# Altium PCB GPRS-ADM2483-V1.0_______中科院TF卡.PcbDoc (part 3 of 3)
Units mm, origin at the board's own origin, x right, y up, seen from the top; angles counter-clockwise.
Board outline 138.3 x 139.73 mm, 2 copper layers (Top Layer, Bottom Layer); 324 components, 205 nets, 988 pads, 414 vias.
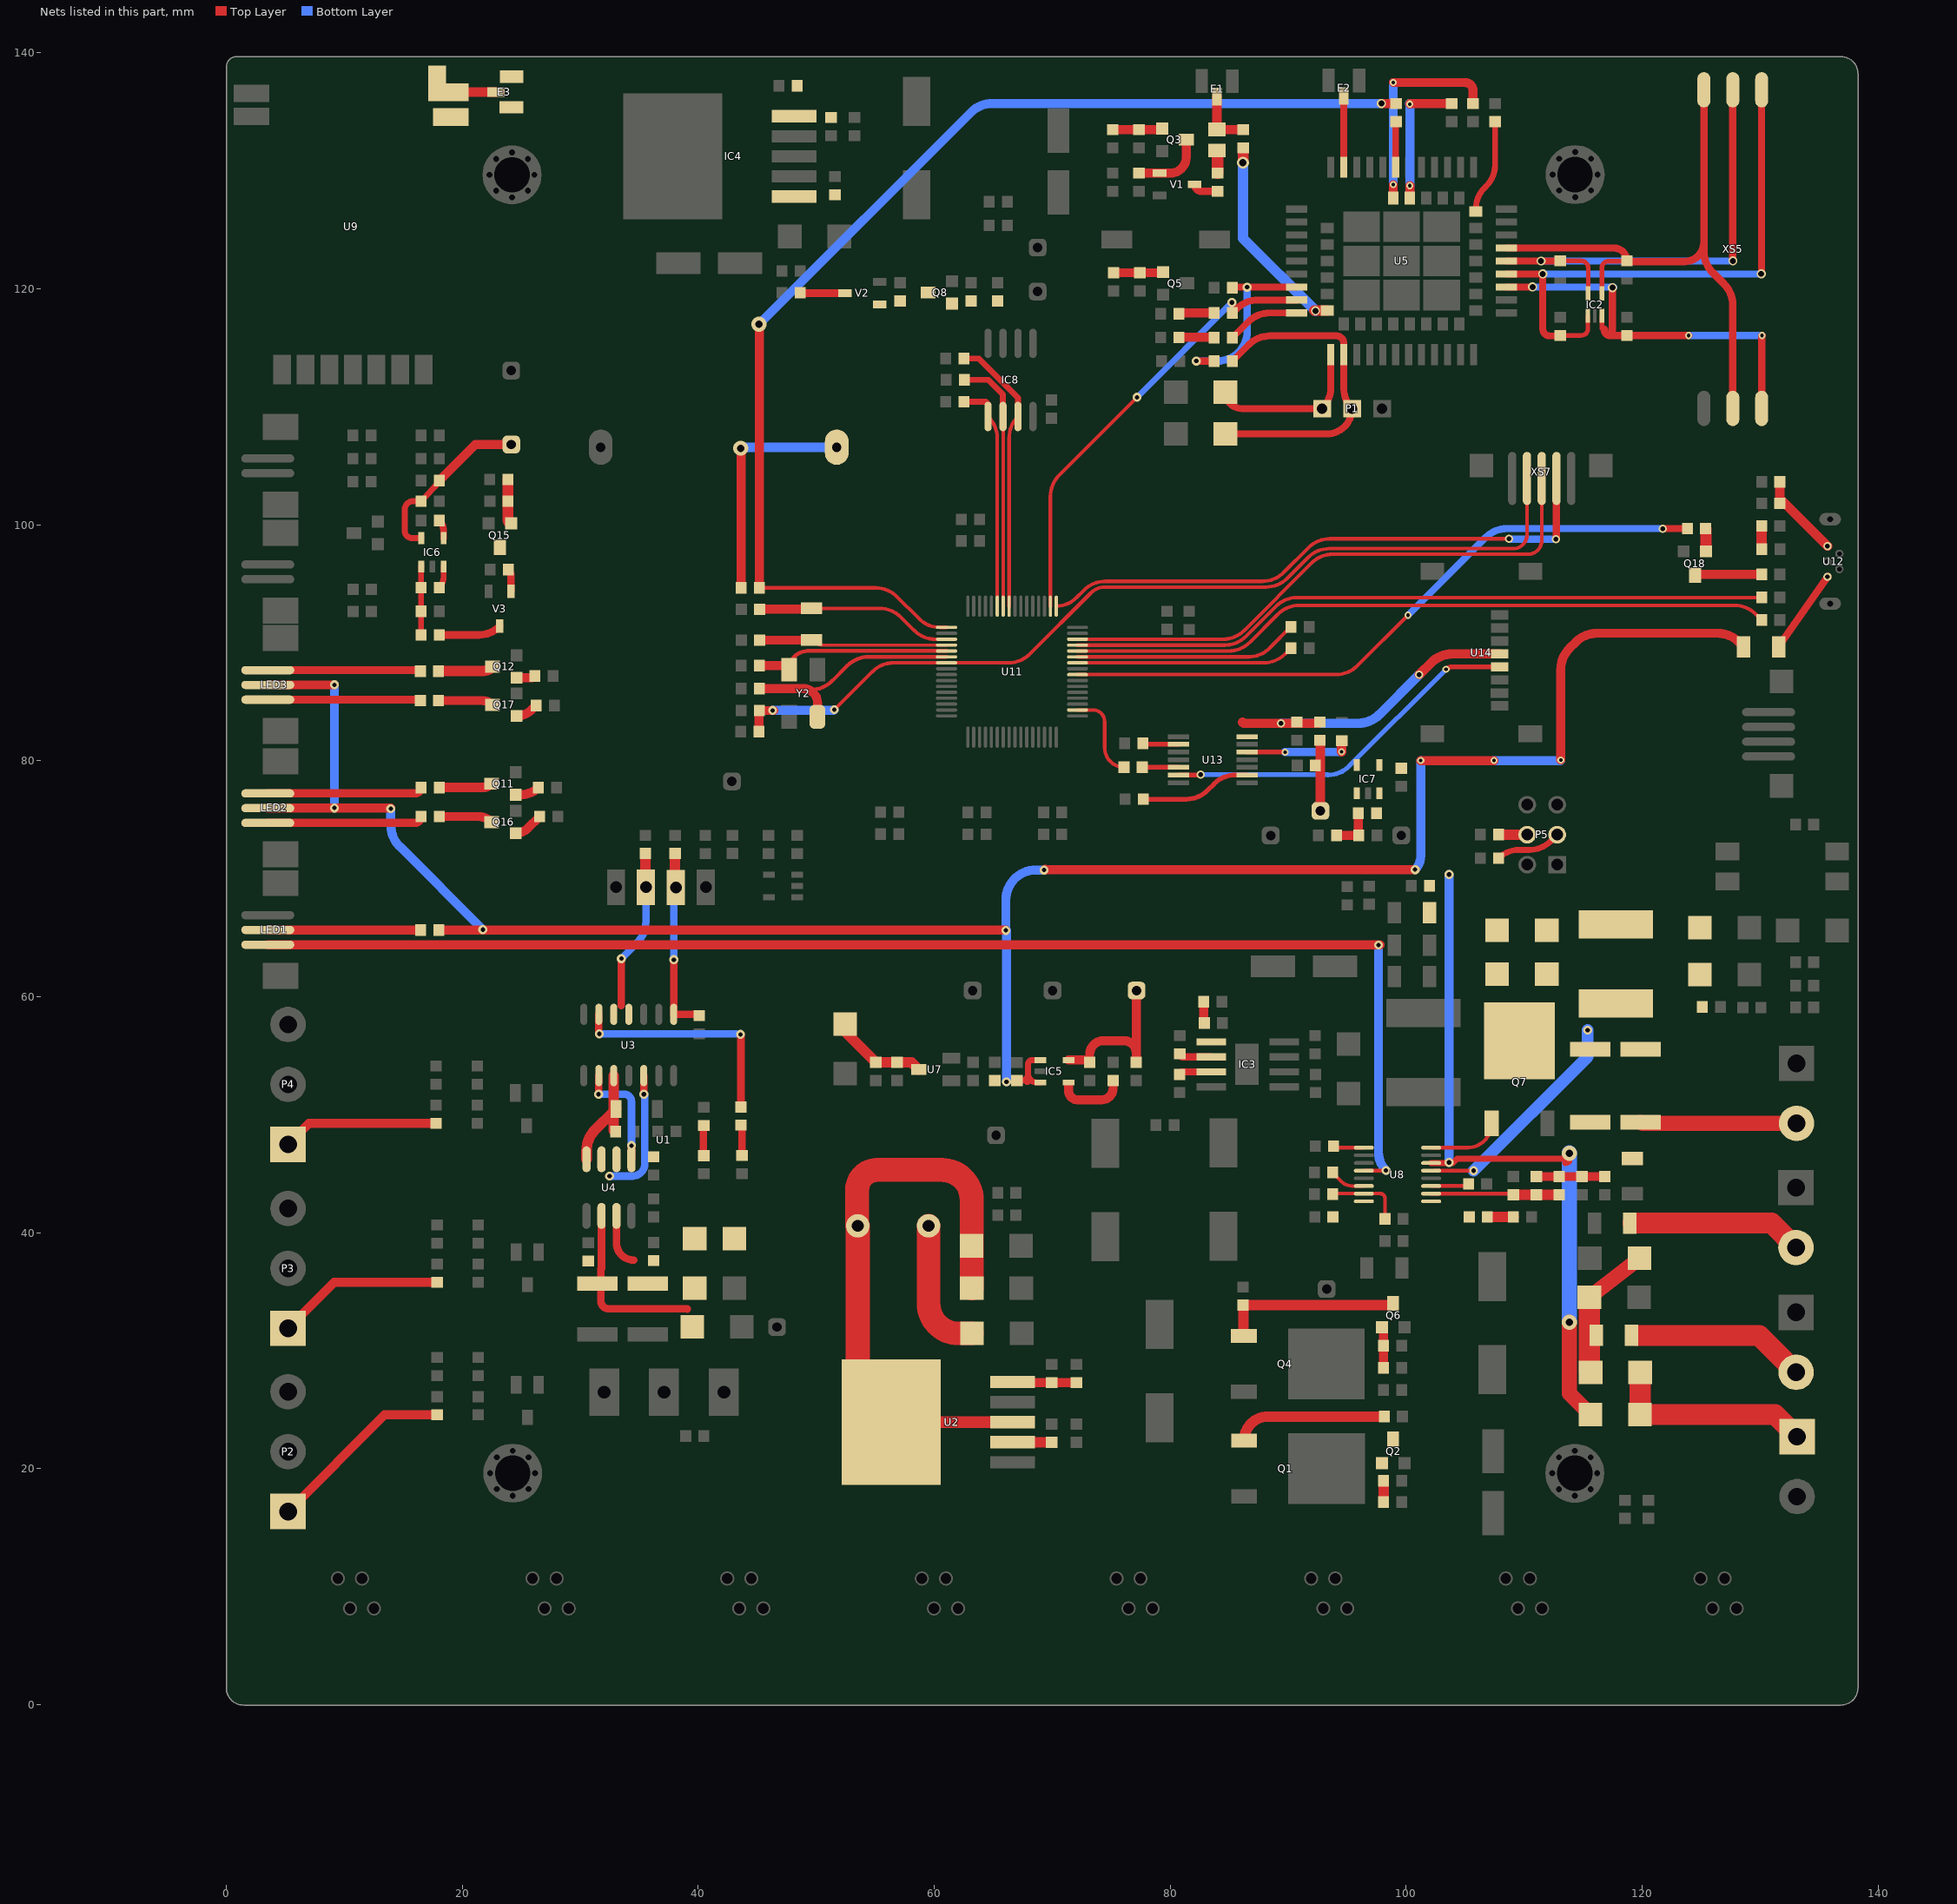
[diagram p3: the nets of this part, all layers, seen from the top]

## Via types
v1: diameter 0.762, hole 0.381, Top Layer to Bottom Layer, 221 vias
v2: diameter 1.016, hole 0.635, Top Layer to Bottom Layer, 61 vias
v3: diameter 0.6, hole 0.3, Top Layer to Bottom Layer, 41 vias
v4: diameter 0.762, hole 0.508, Top Layer to Bottom Layer, 21 vias
v5: diameter 3, hole 2.3, Top Layer to Bottom Layer, 16 vias
v6: diameter 0.7, hole 0.4, Top Layer to Bottom Layer, 15 vias
v7: diameter 1.27, hole 0.635, Top Layer to Bottom Layer, 7 vias
v8: diameter 1.27, hole 0.508, Top Layer to Bottom Layer, 5 vias
v9: diameter 1.016, hole 0.457, Top Layer to Bottom Layer, 5 vias
v10: diameter 1.016, hole 0.508, Top Layer to Bottom Layer, 4 vias
v11: diameter 0.8, hole 0.5, Top Layer to Bottom Layer, 4 vias
v12: diameter 1.27, hole 0.762, Top Layer to Bottom Layer, 2 vias
v13: diameter 0.762, hole 0.457, Top Layer to Bottom Layer, 2 vias
v14: diameter 0.9, hole 0.6, Top Layer to Bottom Layer, 2 vias
v15: diameter 1, hole 0.7, Top Layer to Bottom Layer, 2 vias
v16: diameter 1.021, hole 0.7, Top Layer to Bottom Layer, 2 vias
v17: diameter 1.016, hole 0.381, Top Layer to Bottom Layer, 1 vias
v18: diameter 1.016, hole 0.6, Top Layer to Bottom Layer, 1 vias
v19: diameter 1.012, hole 0.6, Top Layer to Bottom Layer, 1 vias
v20: diameter 0.4, hole 0.3, Top Layer to Bottom Layer, 1 vias

## Nets (pads, with @x,y where several pads share a name; then routed paths per layer and width w, separated by ;. In a path a pad name is that pad's centre, name@x,y a point inside that pad or via, vN(x,y) a via of type N, cw(c..) or ccw(c..) an arc to the next point about the centre after c; other vN are vias at no path point) (continued)
NetC32_2: C32.2 D23.2 R50.2 U7.3 | length 9.4
  Top Layer w0.889: D23.2@52.45,57.68 52.45,57.037 R50.2@55.06,54.427 58.077,54.427 ; C32.2@56.849,54.427 58.077,54.427 ; U7.3@58.69,53.815 58.077,54.427
NetC35_1: C35.1 U8.1 | length 2.6
  Top Layer w0.305: C35.1@93.848,47.065 93.982,47.199 U8.1@96.423,47.199
NetC38_1: C38.1 U8.11 | length 3.2
  Top Layer w0.33: U8.11@102.123,43.949 C38.1@105.313,43.949
NetC41_1: C41.1 R61.1 R63.2 U8.10 | length 11.9
  Top Layer w0.305: U8.10@102.123,43.299 109.993,43.299 cw(c109.993,43.205) 110.086,43.205
  Top Layer w0.889: R63.2@109.1,43.205 C41.1@112.972,43.205
NetC43_2: C43.2 U8.8
NetC45_2: C45.2 IC5.5 MCU_3V3.1 R64.1 | length 13.9
  Top Layer w0.762: IC5.5@71.395,54.622 72.987,54.622 cw(c72.987,54.427) C45.2@73.182,54.427 73.182,55.094 cw(c74.348,55.094) 74.348,56.261 76.087,56.261 cw(c76.087,55.222) 77.126,55.222 ; R64.1@77.126,54.427 77.126,55.222 ; MCU_3V3.1@77.152,60.512 ccw(c77.152,60.486) 77.126,60.486 77.126,55.222
NetC46_2: C46.2 IC5.4 | length 5.9
  Top Layer w0.762: IC5.4@71.395,52.537 71.395,52.014 ccw(c72.157,52.014) 72.157,51.252 74.17,51.252 ccw(c74.17,52.255) 75.173,52.255 C46.2@75.173,52.887
NetC47_2: C47.2 R66.1 | length 2.2
  Top Layer w0.889: R66.1@106.891,41.321 C47.2@109.1,41.321
NetC49_1: C49.1 IC6.1 R75.2 R82.1 | length 5.8
  Top Layer w0.5: R75.2@16.51,90.653 16.51,96.442 cw(c16.544,96.442) IC6.1@16.52,96.466
NetC51_2: C51.2 IC6.5 LoRa-3.3V.1 R76.1 | length 15.1
  Top Layer w0.508: C51.2@16.456,102.039 cw(c16.456,101.99) C51.2@16.504,101.99 15.837,101.99 ccw(c15.837,101.276) 15.122,101.276 15.122,99.494 ccw(c15.751,99.494) 15.751,98.866 IC6.5@16.52,98.866 ; C51.2@16.51,101.949 16.528,101.969 R76.1@18.05,103.647
  Top Layer w0.762: R76.1@18.044,103.741 21.1,106.797 LoRa-3.3V.1@24.158,106.797 ; R76.1@18.05,103.647 R76.1@18.084,103.664
NetC52_2: C52.2 IC6.4 | length 1.6
  Top Layer w0.584: C52.2@18.05,100.364 cw(c17.157,99.471) 18.42,99.471 IC6.4@18.42,98.866
NetC60_1: C60.1 IC7.1 R100.2 R101.1 | length 3.7
  Top Layer w0.762: C60.1@94.115,73.66 R100.2@95.979,73.66 cw(c96.04,73.721) 95.953,73.721 R101.1@95.953,75.54
NetC61_2: C61.2 IC7.5 R99.1 TF-3V3.1 | length 6
  Top Layer w0.8: R99.1@92.687,81.723 cw(c92.687,81.675) 92.735,81.675 TF-3V3.1@92.735,75.743
NetC63_2: C63.2 IC7.4
NetC64_1: C64.1 U11.4 Y1.1 | length 16
  Top Layer w0.279: Y1.1@49.582,90.209 ccw(c50.583,91.209) 50.583,89.794 U11.4@61.049,89.794
  Top Layer w0.762: C64.1@45.202,90.209 Y1.1@49.582,90.209
NetC65_1: C65.1 U11.3 Y1.2 | length 16.7
  Top Layer w0.305: Y1.2@49.591,92.909 55.378,92.909 cw(c55.378,90.369) 57.174,92.165 58.301,91.038 ccw(c60.097,92.834) 60.097,90.294 U11.3@61.049,90.294
  Top Layer w0.762: C65.1@45.202,92.833 49.406,92.833 ccw(c49.406,93.094) Y1.2@49.591,92.909
NetC68_1: C68.1 U11.6 Y2.1 | length 19
  Top Layer w0.33: 49.374,86.014 49.549,86.014 ccw(c49.549,88.554) 51.345,86.758 52.637,88.05 cw(c54.433,86.254) 54.433,88.794 U11.6@61.049,88.794
  Top Layer w0.762: C68.1@45.176,86.119 48.875,86.119 cw(c48.875,84.879) 49.374,86.014 cw(c48.875,84.879) 50.115,84.879 50.115,84.191 ccw(c50.144,84.191) Y2.1@50.144,84.162
NetC69_1: C69.1 U11.5 Y2.3 | length 17
  Top Layer w0.33: Y2.3@47.701,87.717 cw(c49.279,87.717) 49.279,89.294 U11.5@61.049,89.294
  Top Layer w0.762: C69.1@45.176,88.058 47.359,88.058 cw(c47.359,87.717) Y2.3@47.701,87.717
NetC72_2: C72.2 R114.2 U12.5 | length 7.1
  Top Layer w0.8: C72.2@131.676,103.639 131.676,102.23 U12.5@135.72,98.186
NetD1_1: D1.1 D3.1 L1.2 U2.0 U2.3 | length 50.8
  Top Layer w1: U2.0@56.351,23.93 U2.3@66.651,23.93
  Top Layer w2.032: U2.0@56.351,23.93 53.524,26.758 L1.2@53.524,40.574 cw(c53.524,40.625) 53.473,40.625 53.473,43.615 cw(c55.17,43.615) 55.17,45.312 60.644,45.312 cw(c60.644,42.772) 63.184,42.772 D3.1@63.184,35.283
NetD2_2: D2.2 L1.1 | length 11.7
  Top Layer w2: L1.1@59.524,40.574 59.524,33.989 ccw(c62.064,33.989) 62.064,31.449 D2.2@63.214,31.449
NetD4_2: D4.2 D6.1 D8.1 F2.2 | length 11.8
  Top Layer w1.27: D4.2@115.535,34.511 D8.1@119.775,37.819
  Top Layer w1.778: D4.2@115.535,34.511 115.535,28.265 D6.1@115.642,28.158
NetD5_1: D5.1 D9.1 F3.1 R10.2 U4.7 | length 4.6
  Top Layer w0.635: U4.7@33.072,41.413 33.072,39.134 ccw(c34.54,39.134) 34.54,37.666
NetD6_2: D6.2 D7.2 XS2.1 | length 17.7
  Top Layer w1.778: D6.2@119.842,28.158 119.842,24.614 D7.2@119.813,24.584 131.26,24.584 XS2.1@133.14,22.704
NetD9_2: D9.2 D13.2 F4.1 R21.2 U4.6 | length 15
  Top Layer w0.635: U4.6@31.802,41.413 31.802,36.973 cw(c31.75,36.973) 31.75,36.921 31.75,34.206 ccw(c32.421,34.206) 32.421,33.536 39.053,33.536 cw(c39.053,33.513) 39.076,33.513
NetD10_2: D10.2 R18.1 U3.10 U4.4 | length 10
  Top Layer w0.889: U4.4@30.532,46.213 30.532,46.93 cw(c33.072,46.93) 31.254,48.704 cw(c33.072,46.93) 31.276,48.726 D10.2@32.847,50.296 ; U3.10@32.847,53.302 D10.2@32.847,50.296 ; R18.1@33,48.559 cw(c33,48.712) 32.847,48.712 D10.2@32.847,50.296 ; D10.2@33.037,50.487 D10.2@32.847,50.296
NetD11_A: D11.A R13.1 | length 2.6
  Top Layer w0.635: D11.A@40.449,46.521 40.449,49.046 cw(c40.482,49.046) R13.1@40.482,49.079
NetD12_A: D12.A R17.1 | length 2.6
  Top Layer w0.635: D12.A@43.702,46.542 R17.1@43.702,49.1
NetD16_A: D16.A R26.2 | length 3
  Top Layer w0.762: D16.A@80.75,117.878 cw(c80.812,117.878) 80.812,117.94 R26.2@83.737,117.94
NetD17_A: D17.A R28.2 | length 3
  Top Layer w0.762: D17.A@80.75,115.876 83.709,115.876 cw(c83.709,115.848) R28.2@83.737,115.848
NetD20_2: D20.2 D21.2 D22.2 D24.2 L4.1 R47.1
NetD22_1: D22.1 D24.1 Q7.2
NetD26_K: D26.K R117.1 | length 2
  Top Layer w0.889: R117.1@130.136,99.895 D26.K@130.14,97.913
NetE1_2: E1.2 L2.2 R15.2 | length 5
  Top Layer w0.8: E1.2@83.979,136.272 83.977,136.272 L2.2@83.977,133.503 83.977,133.48 R15.2@86.195,133.48
NetE2_2: E2.2 U5.32 | length 5.7
  Top Layer w0.6: E2.2@94.646,135.961 cw(c94.646,135.891) 94.717,135.891 U5.32@94.717,130.301
NetE3_1: E3.1 E3.3 U9.8
NetE3_2: E3.2 U9.9 | length 3.8
  Top Layer w0.8: U9.9@19.029,136.66 cw(c19.064,136.625) 19.064,136.675 E3.2@22.861,136.675
NetF1_1: F1.1 XS1.2 | length 14.7
  Top Layer w1.778: F1.1@119.235,40.801 130.977,40.801 XS1.2@133.044,38.734
NetF2_1: F2.1 XS3.2 | length 14.8
  Top Layer w1.778: F2.1@119.595,31.286 129.93,31.286 XS3.2@133.063,28.154
NetF5_1: F5.1 U12.1 | length 7.2
  Top Layer w0.635: F5.1@131.576,89.656 U12.1@135.72,95.586
NetIC3_5: IC3.5 R35.1 R40.2 | length 1.8
  Top Layer w0.762: R40.2@82.849,59.558 82.849,57.804 ccw(c82.899,57.804) R35.1@82.899,57.754
NetIC3_6: IC3.6 R36.1 | length 2.8
  Top Layer w0.6: R36.1@80.812,55.151 ccw(c81.068,55.151) 81.068,54.895 IC3.6@83.477,54.895
NetIC3_7: IC3.7 R41.2 | length 2.8
  Top Layer w0.584: R41.2@80.807,53.404 cw(c81.028,53.404) 81.028,53.625 IC3.7@83.477,53.625
NetIC4_1: IC4.1 R54.1
NetIC4_5: IC4.5 R55.1 R58.2
NetIC6_3: IC6.3 R82.2 | length 1.9
  Top Layer w0.508: R82.2@18.05,94.665 ccw(c17.157,95.558) 18.42,95.558 IC6.3@18.42,96.466
NetIC7_3: IC7.3 R101.2
NetL2_1: L2.1 R8.1 | length 2
  Top Layer w0.965: L2.1@83.977,131.723 cw(c83.977,131.676) 84.025,131.676 R8.1@84.025,129.795
NetL4_2: L4.2 RCS1.2 RCS2.2 U8.13 | length 19.2
  Top Layer w0.305: U8.13@102.43,45.248 v1(105.726,45.248)
  Bottom Layer w1.016: v1(105.726,45.248) 105.762,45.285 115.39,54.913 v1(115.39,57.152)
NetLED1_2: LED1.2 R48.1 | length 13
  Top Layer w0.762: LED1.2@3.516,65.65 16.391,65.65 cw(c16.391,65.566) R48.1@16.475,65.566
NetLED2_1: LED2.1 R71.2 | length 13.4
  Top Layer w0.7: LED2.1@3.516,77.223 16.001,77.223 ccw(c16.001,77.726) R71.2@16.504,77.726 ccw(c16.397,77.726) R71.2@16.397,77.833
NetLED2_3: LED2.3 R85.2 | length 13.4
  Top Layer w0.7: LED2.3@3.516,74.723 15.965,74.723 ccw(c15.965,75.263) R85.2@16.504,75.263 ccw(c16.433,75.263) R85.2@16.433,75.333
NetLED3_1: LED3.1 R72.2 | length 13
  Top Layer w0.635: LED3.1@3.516,87.669 16.369,87.669 R72.2@16.451,87.587
NetLED3_3: LED3.3 R86.2 | length 13
  Top Layer w0.635: LED3.3@3.516,85.169 16.38,85.169 R86.2@16.451,85.099
NETLIGHT: R26.1 U5.41 U11.50 | length 37.8
  Top Layer w0.305: U11.50@69.849,93.094 69.849,102.399 cw(c72.389,102.399) 70.593,104.195 v1(77.195,110.797)
  Top Layer w0.584: R26.1@85.277,117.94 85.645,118.307 cw(c87.441,116.511) 87.441,119.051 U5.41@90.717,119.051
  Bottom Layer w0.508: v1@77.195,110.795 v1(77.195,110.797) v1(85.23,118.833)
NetP5_3: P5.3 R115.2 | length 5.6
  Top Layer w0.508: R115.2@107.846,71.73 cw(c109.557,70.019) 109.557,72.439 110.465,72.439 ccw(c110.465,74.979) 112.261,73.183 P5.3@112.802,73.724
NetP5_4: P5.4 R116.1 | length 2.4
  Top Layer w0.889: R116.1@107.846,73.747 ccw(c107.901,73.803) 107.901,73.724 P5.4@110.262,73.724
NetQ1_1: Q1.1 Q2.3 R6.1 | length 13
  Top Layer w0.889: Q1.1@86.265,22.371 cw(c88.297,22.371) 88.297,24.402 R6.1@98.147,24.402
NetQ2_1: Q2.1 R11.2 R19.2 | length 1.8
  Top Layer w0.889: R11.2@98.095,17.17 R19.2@98.095,18.961
NetQ3_1: Q3.1 R20.1 R24.2 | length 4.3
  Top Layer w0.762: R24.2@75.134,133.48 79.235,133.48 ccw(c79.235,133.578) Q3.1@79.332,133.578
NetQ3_3: Q3.3 R16.2 V1.1 | length 6.3
  Top Layer w0.762: R16.2@77.357,129.795 77.357,129.798 V1.1@79.109,129.798 80.016,129.798 ccw(c80.016,131.145) 81.317,130.792 ccw(c80.016,131.145) 81.364,131.145 Q3.3@81.364,132.638
NetQ4_1: Q4.1 Q6.3 R33.2 | length 15.1
  Top Layer w0.889: R33.2@86.214,33.636 86.214,31.266 Q4.1@86.237,31.243 ; R33.2@86.351,33.866 98.9,33.866 Q6.3@98.9,34.001
NetQ5_1: Q5.1 R43.1 R45.2 | length 4.2
  Top Layer w0.762: R45.2@75.2,121.353 79.265,121.353 ccw(c79.265,121.541) Q5.1@79.398,121.408
NetQ6_1: Q6.1 R39.2 R44.2 | length 3.5
  Top Layer w0.762: Q6.1@97.96,31.969 cw(c97.96,31.834) 98.095,31.834 R44.2@98.095,30.413 R39.2@98.095,28.54
NetQ7_1: Q7.1 U8.16 | length 6.3
  Top Layer w0.305: U8.16@102.123,47.199 105.199,47.199 ccw(c105.199,49.256) Q7.1@107.256,49.256
NetQ8_1: Q8.1 R59.2 R67.2
NetQ8_3: Q8.3 R57.2 V2.1
NetQ11_1: Q11.1 R79.2 | length 2.1
  Top Layer w0.762: Q11.1@24.529,77.109 24.955,77.109 ccw(c24.955,79.214) R79.2@26.443,77.726
NetQ11_3: Q11.3 R71.1 | length 4.5
  Top Layer w0.8: R71.1@18.044,77.726 21.716,77.726 ccw(c21.716,78.83) Q11.3@22.497,78.049
NetQ12_1: Q12.1 R80.2 | length 1.6
  Top Layer w0.762: Q12.1@24.603,87.03 25.812,87.03 ccw(c25.812,87.513) R80.2@26.153,87.171
NetQ12_3: Q12.3 R72.1 | length 4.7
  Top Layer w0.889: R72.1@17.991,87.587 21.647,87.587 ccw(c21.647,88.894) Q12.3@22.571,87.97
NetQ15_1: Q15.1 R88.2 R94.2 | length 3.9
  Top Layer w0.889: R88.2@23.873,103.83 23.873,100.372 ccw(c24.139,100.372) Q15.1@24.139,100.106
NetQ15_3: Q15.3 R84.2 V3.1 | length 1.9
  Top Layer w0.635: R84.2@23.909,96.188 cw(c23.384,95.663) 24.127,95.663 V3.1@24.127,94.346
NetQ16_1: Q16.1 R90.2 | length 2.5
  Top Layer w0.762: Q16.1@24.529,73.85 ccw(c24.529,75.335) 25.579,74.285 R90.2@26.557,75.263
NetQ16_3: Q16.3 R85.1 | length 4.6
  Top Layer w0.762: R85.1@18.044,75.263 21.354,75.263 cw(c21.354,73.647) Q16.3@22.497,74.79
NetQ17_1: Q17.1 R91.2 | length 1.9
  Top Layer w0.762: Q17.1@24.603,83.791 ccw(c24.603,85.636) 25.908,84.331 R91.2@26.26,84.683
NetQ17_3: Q17.3 R86.1 | length 4.7
  Top Layer w0.762: R86.1@17.991,85.099 21.683,85.099 cw(c21.683,83.843) Q17.3@22.571,84.731
NetQ18_1: Q18.1 R106.1 | length 2
  Top Layer w0.94: R106.1@125.382,99.67 cw(c125.382,99.627) 125.425,99.627 Q18.1@125.425,97.739
NetQ18_3: Q18.3 R111.2 | length 5.7
  Top Layer w0.762: Q18.3@124.485,95.707 cw(c124.559,95.707) 124.559,95.781 R111.2@130.136,95.781
NetR7_1: R7.1 R14.2 U2.5 | length 5.4
  Top Layer w0.762: U2.5@66.651,27.33 ccw(c66.693,27.33) 66.693,27.288 R14.2@72.061,27.288
NetR8_2: R8.2 V1.3 | length 2.3
  Top Layer w0.6: V1.3@82.059,128.848 ccw(c82.651,128.848) 82.651,128.255 R8.2@84.025,128.255
NetR12_1: R12.1 U2.2 | length 3.3
  Top Layer w0.889: U2.2@66.651,22.23 69.955,22.23 R12.1@69.955,22.225
NetR15_1: R15.1 U5.68 | length 17.5
  Top Layer w0.889: v2(86.167,130.685) 86.195,130.713 R15.1@86.195,131.94 ; v4@92.216,118.151 U5.68@93.317,118.151
  Bottom Layer w0.889: v2(86.167,130.685) 86.167,124.284 v4(92.324,118.127)
NetR17_2: R17.2 U3.6 | length 19.5
  Top Layer w0.635: v1@31.577,56.823 U3.6@31.577,58.502 ; R17.2@43.625,50.64 v1@43.625,56.797
  Bottom Layer w0.635: v1(31.623,56.848) v1@43.239,56.848
  other v1: 43.587,56.797
NetR23_2: R23.2 U3.9 U4.1 | length 9.5
  Top Layer w0.635: v1@31.577,51.802 U3.9@31.577,53.302 ; U4.1@34.342,46.213 v1@34.342,47.371
  Bottom Layer w0.635: v1(31.553,51.72) 33.737,51.72 cw(c33.737,51.112) 34.344,51.112 v1(34.344,47.371)
NetR27_1: R27.1 U5.57 | length 8.1
  Top Layer w0.508: U5.57@105.917,126.551 105.917,126.797 cw(c108.383,126.797) 106.638,128.54 cw(c108.383,126.797) 106.639,128.541 106.797,128.699 ccw(c105.001,130.495) 107.541,130.495 R27.1@107.541,134.166
NetR28_1: R28.1 U5.42 | length 6.2
  Top Layer w0.584: R28.1@85.277,115.848 86.636,117.207 cw(c88.432,115.411) 88.432,117.951 U5.42@90.717,117.951
NetR29_2: R29.2 U5.62 | length 18
  Top Layer w0.762: U5.62@98.917,127.701 v3(98.917,128.821) ; v3(98.917,137.48) 104.996,137.48 cw(c104.996,136.805) 105.671,136.805 R29.2@105.671,135.706
  Bottom Layer w0.762: v3(98.917,128.821) v3(98.917,128.821) v3(98.917,137.48)
NetR30_2: R30.2 U5.61 | length 11.6
  Top Layer w0.762: v3(100.308,135.652) 100.308,135.706 R30.2@103.856,135.706 ; U5.61@100.317,127.701 v3(100.317,128.736)
  Bottom Layer w0.762: v3@100.291,135.681 cw(c100.228,135.618) 100.317,135.618 v3(100.317,128.736)
NetR37_1: R37.1 U5.28 | length 3.9
  Top Layer w0.559: U5.28@99.117,130.301 99.117,134.127 cw(c99.155,134.127) R37.1@99.155,134.166
NetR52_1: R52.1 V2.3 | length 3.8
  Top Layer w0.635: R52.1@48.634,119.662 ccw(c48.671,119.662) 48.671,119.626 V2.3@52.445,119.626
NetR60_2: R60.2 U8.6 | length 3.1
  Top Layer w0.3: R60.2@93.78,45.097 ccw(c93.84,45.097) 93.797,45.055 94.545,44.307 ccw(c95.409,45.172) 95.409,43.949 U8.6@96.423,43.949
NetR62_2: R62.2 R65.1 U8.7 | length 6.4
  Top Layer w0.3: R62.2@93.78,43.253 cw(c93.826,43.253) 93.826,43.299 U8.7@96.423,43.299 97.823,43.299 cw(c97.823,42.915) 98.207,42.915 98.207,41.166 R65.1@98.21,41.166
NetR66_2: R66.2 U8.9
NetR75_1: R75.1 V3.3 | length 5.3
  Top Layer w0.635: R75.1@18.05,90.653 21.384,90.653 ccw(c21.384,93.188) V3.3@23.177,91.396
NetR102_2: R102.2 U10.1 | length 20.3
  Top Layer w0.8: R102.2@43.636,94.644 43.636,106.615 cw(c43.681,106.615) v7@43.649,106.648
  Bottom Layer w0.8: v7@43.409,106.523 cw(c43.52,106.412) 43.52,106.569 U10.1@51.74,106.569
  other v7: 43.602,106.475
NetR105_1: R105.1 U11.43 | length 19
  Top Layer w0.305: U11.43@72.149,88.794 86.642,88.794 ccw(c86.642,91.334) 88.438,89.538 R105.1@90.238,91.338
NetR107_2: R107.2 U13.2 | length 3.1
  Top Layer w0.4: R107.2@77.681,81.472 ccw(c77.889,81.68) 77.889,81.386 U13.2@80.721,81.386
NetR109_1: R109.1 U11.42 | length 18.2
  Top Layer w0.279: U11.42@72.149,88.294 87.945,88.294 ccw(c87.945,90.834) 89.741,89.038 R109.1@90.001,89.298
NetR110_1: R110.1 U13.12 | length 9
  Top Layer w0.4: U13.12@86.512,80.736 89.738,80.736 v3(89.738,80.721)
  Top Layer w0.8: v3(94.539,80.747) R110.1@94.539,81.704
  Bottom Layer w0.7: v3(89.738,80.721) 94.513,80.721 v3(94.539,80.747)
NetR112_2: R112.2 U13.5 | length 3.1
  Top Layer w0.4: R112.2@77.63,79.451 ccw(c77.667,79.487) 77.667,79.436 U13.5@80.721,79.436
NetR113_1: R113.1 U13.9 | length 9.4
  Top Layer w0.4: R113.1@77.732,76.733 81.371,76.733 ccw(c81.371,79.273) 83.167,77.477 83.732,78.042 cw(c85.528,76.246) 85.062,78.743 cw(c85.528,76.246) 85.528,78.786 U13.9@86.512,78.786
NetU3_12: U3.12 U4.2 U4.3 | length 11.1
  Top Layer w0.635: U3.12@35.387,53.302 v1(35.387,51.721) ccw(c35.443,51.721) v1@35.403,51.681
  Bottom Layer w0.635: v1(32.489,44.79) 34.423,44.79 ccw(c34.423,45.844) 35.477,45.844 35.477,51.63 ccw(c35.387,51.63) v1(35.387,51.721)
ON_CHG: LED1.3 U8.4 | length 115.3
  Top Layer w0.305: U8.4@96.423,45.249 v1@98.201,45.249
  Top Layer w0.762: LED1.3@3.516,64.4 v1@97.792,64.4
  Bottom Layer w0.762: v1(97.657,64.373) 97.657,46.806 ccw(c99.843,46.806) v1(98.298,45.26)
RESET: C71.1 R108.2 U11.7 XS7.2 | length 77.6
  Top Layer w0.305: v1(51.535,84.32) 54.765,87.55 cw(c56.561,85.754) 56.561,88.294 U11.7@61.049,88.294 66.305,88.294 ccw(c66.305,90.834) 68.101,89.038 73.272,94.209 cw(c74.498,92.982) 74.498,94.717 88.127,94.717 ccw(c88.127,97.257) 89.923,95.461 91.687,97.224 cw(c93.483,95.428) 93.483,97.968 109.068,97.968 ccw(c109.068,99.147) 110.246,99.147 XS7.2@110.246,103.921
  Top Layer w0.762: R108.2@45.149,82.454 45.149,84.223 cw(c45.179,84.223) C71.1@45.179,84.253 v1@46.402,84.253
  Bottom Layer w0.762: v1(46.307,84.258) 51.387,84.258 ccw(c51.387,84.468) v1(51.535,84.32)
RTC_SCL: IC8.6 R97.1 U11.58 | length 21.7
  Top Layer w0.305: IC8.6@65.802,109.101 cw(c65.901,109.101) IC8.6@65.831,109.17 ; U11.58@65.849,93.094 IC8.6@65.849,109.077
  Top Layer w0.508: R97.1@62.548,112.278 64.605,112.278 65.831,111.051 IC8.6@65.831,109.17
RTC_SDA: IC8.5 R98.1 U11.59 | length 19.5
  Top Layer w0.305: IC8.5@64.561,109.17 64.605,109.127 cw(c62.809,107.33) 65.349,107.33 U11.59@65.349,93.094
  Top Layer w0.508: R98.1@62.512,110.416 64.385,110.416 64.561,110.24 IC8.5@64.561,109.17
RXD: R3.2 U1.3 U3.4 U3.5 | length 13.7
  Top Layer w0.635: 33.49,59.223 v1(33.49,63.222)
  Top Layer w0.889: R3.2@35.519,72.138 35.519,69.318 ccw(c35.564,69.318) U1.3@35.564,69.273
  Bottom Layer w0.635: v1(33.49,63.222) 34.82,64.552 ccw(c33.024,66.348) 35.564,66.348 U1.3@35.564,69.273
SCK: R112.1 U11.34 | length 7.7
  Top Layer w0.3: U11.34@72.149,84.294 73.465,84.294 cw(c73.465,83.312) 74.447,83.312 74.447,81.094 ccw(c76.09,81.094) R112.1@76.09,79.451
SCLK: U13.6 U14.5 | length 31
  Top Layer w0.4: U13.6@80.721,78.786 82.571,78.786 v6(82.601,78.816) ; v3(103.385,87.739) cw(c103.895,87.23) 103.895,87.95 U14.5@107.932,87.95
  Bottom Layer w0.4: v6(82.601,78.816) 93.35,78.816 93.375,78.791 ccw(c93.375,81.331) 95.172,79.535 103.392,87.756 ccw(c103.365,87.782) 103.403,87.782 cw(c103.342,87.782) v3(103.385,87.739)
SIM800_RX: D15.1 P1.2 R25.1 U5.2 | length 28.3
  Top Layer w0.584: D15.1@84.684,107.695 93.279,107.695 ccw(c93.279,109.836) P1.2@95.42,109.836 cw(c97.119,111.535) 94.717,111.535 U5.2@94.717,114.401 94.717,115.385 ccw(c94.094,115.385) 94.094,116.007 88.465,116.007 ccw(c88.465,113.467) 86.669,115.263 R25.1@85.277,113.871
SIM800_TX: D14.1 P1.3 U5.1 | length 13.8
  Top Layer w0.584: D14.1@84.684,111.242 ccw(c86.09,111.242) 86.09,109.836 P1.3@92.88,109.836 ccw(c91.102,111.614) 93.617,111.614 93.617,112.423 U5.1@93.617,114.401
SIM_CLK: C4.1 IC2.1 U5.16 XS5.3 | length 47.4
  Top Layer w0.381: C4.1@113.058,116.039 114.754,116.039 ccw(c114.754,116.689) 114.778,116.039 ccw(c114.754,116.689) 114.883,116.052 ccw(c114.883,116.573) 115.404,116.573 IC2.1@115.404,117.709
  Top Layer w0.584: U5.16@108.517,121.251 v4(111.588,121.251) ; v4(111.588,121.251) 111.588,116.596 ccw(c112.182,116.596) 112.182,116.001 113.021,116.001 ccw(c113.021,116.039) C4.1@113.058,116.039 ; v4@130.14,121.262 XS5.3@130.14,136.859
  Bottom Layer w0.584: v4(111.588,121.251) v4@130.098,121.251
  other v4: 130.098,121.262
SIM_DAT: C6.2 IC2.3 U5.15 XS5.6 | length 33.7
  Top Layer w0.381: 116.598,116.595 IC2.3@116.598,117.709
  Top Layer w0.584: U5.15@108.517,120.151 v4(110.719,120.151)
  Top Layer w0.635: 116.807,116.534 ccw(c117.302,116.534) 117.302,116.039 C6.2@118.712,116.039 v3(123.952,116.039) ; 117.486,116.467 117.486,120.094 v4(117.494,120.094) ; XS5.6@130.14,109.859 v3@130.14,116.027 ; v3@130.162,116.027 v3(130.162,116.039)
  Bottom Layer w0.584: v4(110.719,120.151) v4@117.612,120.151
  Bottom Layer w0.635: v3(123.952,116.039) v3(130.162,116.039)
SIM_RST: C5.1 IC2.5 U5.17 XS5.2 | length 40.2
  Top Layer w0.381: C5.1@113.048,122.351 113.048,122.367 114.827,122.367 cw(c114.827,121.765) 115.429,121.765 IC2.5@115.429,119.61
  Top Layer w0.6: U5.17@108.517,122.351 C5.1@113.048,122.351
  Top Layer w0.635: v4@127.69,122.361 XS5.2@127.69,136.859
  Bottom Layer w0.584: v4(111.437,122.345) v4@127.696,122.345
  other v4: 127.696,122.361
SIM_VCC: C7.2 IC2.4 U5.18 XS5.1 XS5.5 | length 50.7
  Top Layer w0.381: IC2.4@116.598,119.61 116.598,121.783 cw(c117.149,121.783) 117.149,122.334 118.69,122.334 ccw(c118.69,122.356) C7.2@118.712,122.356
  Top Layer w0.6: U5.18@108.517,123.451 117.616,123.451 cw(c117.616,122.356) C7.2@118.712,122.356
  Top Layer w0.635: C7.2@118.69,122.334 ccw(c118.72,122.334) 118.72,122.304 123.614,122.304 ccw(c123.614,123.931) 125.24,123.931 ; XS5.1@125.24,136.859 125.24,123.931 ; XS5.5@127.69,109.859 127.69,118.613 ccw(c125.15,118.613) 126.946,120.409 125.984,121.371 cw(c127.78,123.167) 125.24,123.167 125.24,123.931
SWCLK: U11.49 XS7.4 | length 49.4
  Top Layer w0.305: U11.49@70.349,93.094 ccw(c70.349,95.459) 72.021,93.787 72.69,94.455 cw(c74.486,92.659) 74.486,95.199 87.822,95.199 ccw(c87.822,97.739) 89.619,95.943 91.737,98.062 cw(c93.534,96.266) 93.534,98.806 v6(108.715,98.806)
  Top Layer w0.635: v6@112.746,98.772 XS7.4@112.746,103.921
  Bottom Layer w0.305: v6(108.715,98.806) cw(c108.715,98.69) v6@108.797,98.772
  Bottom Layer w0.6: v6@108.797,98.772 112.691,98.772 v6(112.7,98.781)
SWDIO: U11.46 XS7.3 | length 48
  Top Layer w0.305: U11.46@72.149,90.294 84.481,90.294 ccw(c84.481,92.834) 86.277,91.038 91.991,96.753 cw(c93.787,94.956) 92.005,96.767 cw(c93.787,94.956) 93.787,97.496 110.338,97.496 ccw(c110.338,98.655) 111.496,98.655 XS7.3@111.496,103.921
TF-3V3: C70.1 R99.2 U13.14 U14.4 | length 27.4
  Top Layer w0.8: 86.139,83.261 86.141,83.263 86.244,83.16 v6(89.383,83.16) 92.584,83.16 R99.2@92.687,83.263 ; v6(101.117,87.294) 102.132,88.308 cw(c103.928,86.512) 103.928,89.052 U14.4@107.932,89.052
  Bottom Layer w0.8: v6(89.383,83.16) 95.931,83.16 ccw(c95.931,85.7) 97.727,83.904 v6(101.117,87.294)
TXD: R2.2 R9.1 U1.2 U3.1 | length 16
  Top Layer w0.635: v1@37.909,63.169 cw(c37.868,63.128) v1(37.927,63.128) U3.1@37.927,58.502 39.824,58.502 cw(c39.824,58.125) R9.1@40.091,58.392
  Top Layer w0.889: R2.2@38.037,72.138 38.037,69.315 ccw(c38.104,69.315) U1.2@38.104,69.248
  Bottom Layer w0.635: v1(37.927,63.128) 37.927,68.821 cw(c38.531,68.821) U1.2@38.104,69.248
USBDM: R103.2 U11.44 | length 59.8
  Top Layer w0.305: U11.44@72.149,89.294 84.956,89.294 ccw(c84.956,91.834) 86.752,90.038 89.138,92.423 cw(c90.934,90.627) 90.934,93.167 127.835,93.167 cw(c127.835,90.627) 129.631,92.423 R103.2@130.136,91.918
USBDP: R104.2 U11.45 | length 59.4
  Top Layer w0.305: U11.45@72.149,89.794 84.627,89.794 ccw(c84.627,92.334) 85.027,89.826 ccw(c84.627,92.334) 86.423,90.538 88.968,93.083 cw(c90.764,91.287) 90.764,93.827 R104.2@130.136,93.827
USBEN: R106.2 U11.40 | length 56.6
  Top Layer w0.3: U11.40@72.149,87.294 94.065,87.294 ccw(c94.065,89.834) 95.861,88.038 v3(100.152,92.329)
  Top Layer w0.6: v6(121.768,99.67) R106.2@123.842,99.67
  Bottom Layer w0.6: v3(100.152,92.329) 106.749,98.926 cw(c108.545,97.13) 108.545,99.67 v6(121.768,99.67)
VBAT: C39.2 C40.2 C41.2 C42.2 C53.2 D7.1 R61.2 R83.2 RCS1.1 RCS2.1 U8.14 XS4.2 | length 78.8
  Top Layer w0.5: 113.496,45.899 ccw(c113.496,46.385) 113.84,46.041
  Top Layer w0.508: U8.14@102.123,45.899 103.941,45.899 104.311,46.268 113.395,46.268 v7(113.841,46.714)
  Top Layer w0.762: R61.2@111.036,44.745 C40.2@116.834,44.745
  Top Layer w1.27: v7(113.841,32.4) 113.841,26.357 D7.1@115.613,24.584 ; RCS1.1@119.882,49.351 ccw(c120.094,49.563) 120.094,49.263 XS4.2@133.097,49.263
  Bottom Layer w0.762: v1(103.636,45.948) v1(103.636,70.355) ccw(c103.636,70.607) v1@103.664,70.357
  Bottom Layer w1.27: v7@113.815,46.777 cw(c113.752,46.714) v7(113.841,46.714) v7(113.841,32.4)
VCC5V: C44.2 F5.2 IC5.1 IC5.3 LED2.2 LED3.2 R48.2 R51.2 | length 191.6
  Top Layer w0.508: C44.2@67.007,52.884 67.395,52.884 ccw(c67.395,53.451) 67.962,53.451 ; 67.852,52.755 ccw(c67.852,52.865) 67.962,52.865 67.962,53.451 ; IC5.3@68.995,52.722 68.69,52.722 cw(c68.69,53.451) 67.962,53.451 ; IC5.1@68.995,54.622 68.31,54.622 ccw(c68.31,54.274) 67.962,54.274 67.962,53.451
  Top Layer w0.762: LED2.2@3.516,75.973 v1@13.944,75.973 ; LED3.2@3.516,86.419 9.154,86.419 v1(9.163,86.428) ; R48.2@18.014,65.634 v1@66.079,65.634 ; v1(69.315,70.733) 69.323,70.726 69.412,70.815 69.463,70.764 v1(100.762,70.764) ; v3(101.244,80.01) v3(107.442,80.01) ; v3(113.106,80.061) 113.106,87.721 cw(c115.646,87.721) 113.85,89.517 114.394,90.061 cw(c116.19,88.265) 116.19,90.805 126.395,90.805 cw(c126.395,88.265) 128.191,90.061 F5.2@128.596,89.656
  Bottom Layer w0.762: v1(9.163,75.993) v1(9.163,86.428) ; v1(13.944,75.928) 13.944,74.526 ccw(c16.484,74.526) 14.688,72.73 v1(21.744,65.675) ; v1(66.079,65.613) 66.079,68.193 cw(c68.619,68.193) 68.619,70.733 v1(69.315,70.733) ; v1(66.128,52.776) v1@66.128,65.613 ; v1(100.762,70.764) ccw(c99.597,71.93) 101.244,71.93 v3(101.244,80.01) ; v3(107.442,80.01) 113.055,80.01 ccw(c113.055,80.061) v3(113.106,80.061)
VDD_EXT: R25.2 R49.1 U5.40 | length 16.5
  Top Layer w0.584: R49.1@85.277,120.077 cw(c85.457,119.897) 85.457,120.151 U5.40@90.717,120.151
  Top Layer w0.635: v1(82.218,113.871) R25.2@83.737,113.871
  Bottom Layer w0.635: v1(82.218,113.871) 83.991,113.871 ccw(c83.991,116.411) 86.531,116.411 v1(86.531,120.129)
VIN1: P2.1 R68.1 | length 16
  Top Layer w0.762: P2.1@5.23,16.361 13.417,24.548 R68.1@17.863,24.548
VIN2: P3.1 R73.1 | length 14.2
  Top Layer w0.762: P3.1@5.23,31.881 9.134,35.784 R73.1@17.863,35.784
VIN3: P4.1 R92.1 | length 14
  Top Layer w0.762: P4.1@5.712,46.996 P4.1@5.23,47.478 7.02,49.268 R92.1@17.785,49.268
VRTC: R37.2 R102.1 U11.1 | length 101.1
  Top Layer w0.305: R102.1@45.176,94.644 55.05,94.644 cw(c55.05,92.104) 56.846,93.901 58.708,92.038 ccw(c60.504,93.834) 60.504,91.294 U11.1@61.049,91.294
  Top Layer w0.762: R102.1@45.176,94.644 45.176,116.994 cw(c45.221,116.994) v7@45.189,117.026 ; v4(97.908,135.705) R37.2@99.155,135.706
  Bottom Layer w0.762: v7(45.153,116.984) 63.131,134.961 cw(c64.927,133.165) 64.927,135.705 v4(97.908,135.705)
WP: IC8.7 R96.1 U11.57 | length 23.8
  Top Layer w0.305: U11.57@66.349,93.094 66.349,107.366 cw(c68.889,107.366) 67.093,109.162 IC8.7@67.101,109.17
  Top Layer w0.508: R96.1@62.53,114.084 63.784,114.084 67.101,110.766 IC8.7@67.101,109.17
pads on no net: HO1.0 HO2.0 HO3.0 HO4.0 IC8.1 IC8.3 LED1.0 LED2.0 LED3.0 S1.0 S2.0 U1.5 U5.3 U5.4 U5.5 U5.6 U5.7 U5.9 U5.10 U5.11 U5.12 U5.14 U5.20 U5.24 U5.25 U5.26 U5.29 U5.36 U5.38 U5.43 U5.44 U5.46 U5.47 U5.48 U5.49 U5.50 U5.51 U5.52 U5.53 U5.54 U5.55 U5.56 U5.58 U5.60 U5.63 U5.64 U5.65 U8.12 U9.10 U9.11 U11.2 U11.15 U11.25 U11.26 U11.41 U11.62 U12. U14.1 U14.8 XS6.0 XS7.0
copper on no net:
  other v5: 6.501,5.842 16.501,5.842 23,5.842 33,5.842 39.499,5.842 49.499,5.842 55.998,5.842 65.998,5.842 72.497,5.842 82.497,5.842 88.996,5.842 98.996,5.842 105.495,5.842 115.495,5.842 121.995,5.842 131.995,5.842

## Polygon pours and split planes (outlines as drawn)
GND on Bottom Layer "Bottom Layer-GND" (solid, remove dead copper, pour order 26): -0.584,139.819 138.354,139.819 138.354,-0.864 0.051,-0.864
GND on Bottom Layer "GND_L02_P008" (hatched 45Degree grid 0.508 track 0.203, pour order 8): 671.293,190.722
GND on Bottom Layer "Bottom Layer-GND 1" (solid, remove dead copper, pour order 20): 0.862,139.678
GND on Top Layer "Top Layer-GND" (solid, remove dead copper, pour order 24): -0.584,139.819 138.354,139.819 138.354,-0.864 0.051,-0.864
GND on Top Layer "GND_L01_P014" (hatched Horizontal grid 0.508 track 0.203, pour order 14): 671.293,190.696
no net on Top Layer "Top Layer-No Net" (solid, remove dead copper, pour order 22): 97.457,77.737

## Keep-outs
Keep-Out Layer:
  lines w0.254: 136.789,139.677 cw(c136.85,138.223) 138.305,138.229 ; 136.808,139.678 0.862,139.678 ccw(c0.897,138.781) 0,138.746 0,1.372 ccw(c1.46,1.409) 1.498,-0.051 136.855,-0.051 ccw(c136.855,1.397) 138.303,1.397 ; 138.303,1.33 138.303,138.268 ; 2.239,115.572 2.239,132.862 19.224,132.862 19.25,132.837 19.25,115.56 19.249,115.559 2.253,115.559 2.239,115.572

## Other copper
Top Layer:
  rectangle net GND: 16.787,111.888 18.441,114.406
  rectangle net SIM_DAT: 116.456,116.459 117.653,118.311
  rectangle net SIM_DAT: 116.598,116.124 117.495,116.595
  rectangle net GND: 95.655,129.418 97.059,136.903
  rectangle net GND: 92.792,118.999 99.032,121.399
  rectangle net GND: 94.669,118.133 104.602,126.563
  rectangle net GPRS_RST: 80.779,121.416 85.045,124.892
  rectangle net GPRS_RST: 80.776,119.959 84.223,121.516
  rectangle net GND: 76.845,131.143 79.82,132.381
  rectangle net CHG_IN: 114.636,38.311 116.579,41.683
  rectangle net VBAT: 113.19,44.337 121.736,49.95
  rectangle net B: 35.631,21.815 39.06,28.604
  rectangle net GND: 99.13,18.449 100.971,20.976
  rectangle net GND: 105.891,19.438 110.829,30.418
  rectangle net NetQ2_1: 97.465,16.575 98.556,20.975
  rectangle net NetQ1_1: 97.298,21.866 99.42,23.115
  rectangle net NetQ1_1: 97.298,22.79 98.668,24.901
  rectangle net GND: 99.135,29.701 110.801,32.425
  rectangle net GND: 99.146,19.38 108.726,21.551
  rectangle net NetR66_2: 101.354,40.816 105.832,42.802
  rectangle net GND: 106.361,44.289 109.603,45.238
  rectangle net CHG_IN: 111.391,47.044 112.588,50.354
  rectangle net NetC43_2: 95.602,40.846 97.236,42.814
  rectangle net NetC43_2: 93.344,40.812 97.231,41.809
  rectangle net GND: 95.526,45.722 97.328,46.726
  rectangle net NetC22_2: 134.045,63.033 137.494,70.537
  rectangle net NetL4_2: 113.829,54.913 121.613,60.65
  rectangle net NetD22_1: 106.778,58.132 108.749,66.631
  rectangle net NetD20_2: 110.963,60.939 112.89,66.555
  rectangle net NetD20_2: 110.963,64.876 125.881,66.555
  rectangle net NetD20_2: 124.119,58.64 125.57,65.374
  rectangle net NetC27_1: 126.172,58.59 128.996,59.593
  rectangle net GND: 128.102,60.415 133.515,66.825
  rectangle net GND: 129.649,58.567 130.73,61.315
  rectangle net GND: 134.008,71.51 137.554,80.752
  rectangle net GND: 88.21,39.273 92.658,46.173
  rectangle net GND: 84.53,39.426 89.139,42.477
  rectangle net GND: 84.787,41.832 88.848,43.084
  rectangle net GND: 85.364,42.8 88.462,43.621
  rectangle net GND: 85.823,43.396 88.481,44.081
  rectangle net GND: 86.302,43.885 88.794,44.53
  rectangle net GND: 86.849,44.374 88.589,44.999
  rectangle net GND: 87.338,44.902 88.794,45.478
  rectangle net GND: 87.836,45.351 88.677,45.899
  rectangle net GND: 83.32,36.583 98.601,39.71
  rectangle net 12V: 80.348,44.199 84.262,52.302
  rectangle net Net2_1: 65.427,35.922 67.889,39.873
  rectangle net GND: 66.491,40.619 85.686,43.852
  rectangle net GND: 71.104,28.342 82.876,40.867
  rectangle net GND: 51.46,51.194 53.425,54.474
  rectangle net GND: 56.502,50.999 63.841,52.984
  rectangle net VCC5V: 64.617,52.343 69.482,52.971
  rectangle net GND: 86.135,42.419 87.46,53.849
  rectangle net NetIC3_5: 82.462,56.266 83.35,57.954
  rectangle net GND: 84.719,57.287 93.185,58.239
  rectangle net GND: 85.512,55.488 87.492,57.539
  rectangle net GND: 87.264,56.037 96.192,58.193
  rectangle net GND: 85.924,57.909 91.176,63.447
  rectangle net +5V: 92.151,61.699 99.005,63.45
  rectangle net GND: 94.555,66.955 99.565,68.222
  rectangle net VBAT: 101.502,66.112 104.124,70.855
  rectangle net NetC21_2: 88.428,50.633 102.526,52.605
  rectangle net GND: 63.374,50.987 70.619,52.087
  rectangle net GND: 69.912,52.027 70.618,55.535
  rectangle net IIN1: 17.349,25.625 21.839,28.321
  rectangle net IIN2: 17.359,36.896 21.806,39.57
  rectangle net IIN3: 17.255,50.331 21.756,53.015
  rectangle net B: 35.488,21.763 37.534,31.926
  rectangle net A: 29.772,29.071 33.159,31.993
  rectangle net A: 40.315,22.048 42.581,28.439
  rectangle net NetD9_2: 38.656,30.949 40.749,36.257
  rectangle net NetD9_2: 30.184,35.075 32.094,38.253
  rectangle net GROUND: 42.092,31.017 47.611,36.297
  rectangle net NetD5_1: 34.063,35.094 37.497,38.054
  rectangle net +3.3V: 34.345,40.875 36.689,41.793
  rectangle net NetD5_1: 38.682,37.333 44.053,40.506
  rectangle net NetD5_1: 37.33,36.848 44.077,38.035
  rectangle net GND: 40.039,42.653 44.107,45.379
  rectangle net NetR23_2: 34.292,45.963 36.678,46.874
  rectangle net NetU3_12: 31.456,44.312 33.559,47.11
  rectangle net RXD: 32.416,57.463 34.644,59.502
  rectangle net +3.3V: 37.966,52.378 39.214,53.788
  rectangle net NetE3_1: 20.014,133.787 25.203,135.289
  rectangle net NetE3_1: 24.21,135.746 25.194,138.515
  rectangle net GND: 33.591,136.374 47.265,139.153
  rectangle net NetIC4_5: 47.908,134.168 51.754,137.676
  rectangle net NetC31_2: 46.205,132.523 53.771,133.424
  rectangle net NetC29_1: 46.687,129.03 51.998,129.971
  rectangle net NetIC4_1: 46.226,127.282 52.089,128.356
  rectangle net NetC29_1: 43.584,119.156 47.47,125.552
  rectangle net GND: 33.59,121.405 40.076,127.43
  rectangle net GND: 50.949,120.946 54.321,125.374
  rectangle net GND: 48.2,120.946 53.267,121.946
  rectangle net GND: 46.076,82.629 48.347,83.53
  rectangle net GND: 47.054,138.322 59.773,139.148
  rectangle net GND: 52.58,133.89 72.503,139.131
  rectangle net NetC3_2: 45.47,70.181 46.503,72.59
  rectangle net NetQ8_3: 54.789,118.217 60.205,119.446
  rectangle net +5V: 54.813,120.006 58.077,122.155
  rectangle net GND: 53.14,122.555 65.221,125.316
  rectangle net GND: 60.993,120.133 63.704,123.598
  rectangle net NetQ8_1: 60.993,118.13 65.928,119.363
  rectangle net 3.3V: 68.222,108.494 70.392,109.474
  rectangle net GND: 63.405,121.407 67.473,124.401
  rectangle net GND: 67.923,118.748 71.518,122.162
  rectangle net GND: 66.993,121.418 69.609,122.188
  rectangle net GND: 69.408,110.096 71.523,118.929
  rectangle net GND: 69.885,110.099 72.988,125.403
  rectangle net GND: 72.661,123.263 76.924,125.402
  rectangle net GND: 71.502,135.345 82.865,139.145
  rectangle net GND: 71.267,131.444 73.076,135.93
  rectangle net GND: 72.034,129.21 73.105,131.776
  rectangle net GND: 72.511,129.215 75.29,130.301
  rectangle net GND: 82.248,137.473 93.871,139.135
  rectangle net GND: 93.018,137.484 97.249,139.134
  rectangle net GND: 95.521,134.792 97.26,137.62
  rectangle net GND: 97.214,138.103 102.317,139.142
  rectangle net GPRS_RST: 80.79,118.918 84.238,120.798
  rectangle net GND: 76.959,113.275 79.782,120.297
  rectangle net NETLIGHT: 84.806,118.302 86.018,119.182
  rectangle net NETLIGHT: 85.827,118.856 86.46,119.182
  rectangle net GND: 124.788,101.347 130.526,104.082
  rectangle net EX_POW: 126.211,71.532 133.472,75.062
  rectangle net +5V: 49.436,68.514 50.447,72.609
  rectangle net +5V: 47.918,70.05 49.761,72.609
  rectangle net +5V: 47.884,67.945 50.081,68.673
  rectangle net GPRS_RX: 80.273,111.461 81.469,114.381
  rectangle net GND: 16.86,112.063 39.736,114.332
  rectangle net 3.3V: 110.035,70.491 113.745,71.731
  rectangle net 3.3V: 110.715,69.951 113.736,70.851
  rectangle net GND: 88.209,67.527 99.572,68.339
  rectangle net GND: 30.573,92.388 39.884,139.151
  rectangle net 485TX: 60.564,80.356 61.687,83.874
  rectangle net 3.3V: 41.752,81.926 44.003,82.93
  rectangle net LoRa_AUX: 11.799,101.163 13.42,104.137
  rectangle net GND: 19.337,99.55 22.274,102.401
  rectangle net GND: 18.033,107.471 22.517,112.812
  rectangle net NetQ15_3: 23.386,93.773 25.412,98.718
  rectangle net NetQ15_1: 23.473,99.608 25.387,104.349
  rectangle net GND: 19.04,92.057 21.126,101.818
  rectangle net GND: 17.619,92.044 21.089,93.171
  rectangle net K1: 10.156,94.809 11.184,96.293
  rectangle net K1: 9.809,94.995 10.404,96.176
  rectangle net K1: 9.778,95.527 10.095,96.184
  rectangle net GND: 20.237,92.321 43.944,93.361
  rectangle net +5V: 57.037,121.055 58.713,122.164
  rectangle net GND: 24.167,88.412 43.741,92.583
  rectangle net GND: 8.89,88.596 15.34,90.59
  rectangle net GND: 14.998,88.82 24.234,89.76
  rectangle net GND: 6.594,78.933 25.029,81.099
  rectangle net LoRa_AUX: 11.046,99.36 12.087,101.541
  rectangle net GND: 68.824,75.731 69.785,79.095
  rectangle net 4V: 89.764,125.578 91.644,127.051
  rectangle net NetIC7_3: 97.457,75.015 98.069,77.737
  rectangle net NetC60_1: 94.88,73.27 96.077,77.775
  rectangle net TF-3V3: 85.598,82.036 87.427,83.668
  rectangle net NetC63_2: 97.46,79.146 100.101,80.162
  rectangle net GND: 98.577,76.2 122.961,78.308
  rectangle net NetC61_2: 92.565,79.095 96.037,80.112
  rectangle net GND: 78.613,81.89 81.636,83.263
Bottom Layer:
  rectangle net GND: 86.055,58.217 91.142,74.244
  rectangle net GND: 128.31,52.065 137.522,80.687
  rectangle net GND: 105.903,22.965 111.892,32.368
  rectangle net GND: 109.942,22.986 126.79,30.658
  rectangle net GND: 115.518,30.107 134.669,35.562
  rectangle net GND: 70.983,21.713 82.718,44.01
  rectangle net +3.3V: 37.927,52.378 39.214,53.768
  rectangle net GND: 72.135,113.427 78.067,117.482
  rectangle net GND: 124.51,52.026 128.914,80.666
  rectangle net GND: 20.503,105.324 22.464,108.704
  rectangle net GND: 67.484,40.432 74.191,51.862
  rectangle net GND: 6.761,88.196 9.892,91.164
  rectangle net GND: 24.596,82.617 39.772,89.855
  rectangle net GND: 22.843,77.904 33.655,80.924

## Silkscreen, mask and mechanical layers (free items; w line width, h text height)
Top Overlay:
  drawing of 2914 lines, arcs and shapes, not listed
  text "LoRa天线" at 26.912,136.826 h2
  text "GPS天线" at 74.283,136.793 h2
  text "GSM天线" at 89.309,133.198 h2
  text "按键一" at 7.239,108.902 h2.79 r270
  text "GND" at 97.311,108.108 h1.6 r270
  text "3.3V" at 116.983,107.323 h2.03 r90
  text "GND" at 107.176,107.068 h2.03 r90
  text "RESET" at 109.606,106.826 h1.78 r90
  text "SWDIO" at 112.148,106.769 h1.78 r90
  text "SWCLK" at 114.728,106.712 h1.65 r90
  text "TX" at 93.744,105.021 h2.54 r90
  text "RX" at 96.291,105.021 h2.54 r90
  text "按键二" at 7.391,100.076 h2.79 r270
  text "下载接口" at 105.661,97.921 h3.05
  text "网络指示灯" at 7.544,90.729 h2.03 r270
  text "绿" at 10.059,88.497 h2.79
  text "VCC" at 9.982,85.928 h1.5
  text "3.3V" at 133.53,85.928 h2.03
  text "TX" at 134.369,83.36 h2.03
  text "红" at 10.062,82.557 h2.79
  text "RX" at 134.369,80.72 h2.03
  text "状态指示灯" at 7.569,80.213 h2.03 r270
  text "绿" at 10.059,77.951 h2.79
  text "调试串口" at 126.644,77.318 h3 r90
  text "GND" at 134.171,77.239 h2.03
  text "GND" at 115.457,75.706 h0.76
  text "GND" at 119.59,75.687 h0.76
  text "VCC" at 9.985,75.514 h1.5
  text "BOOT1" at 115.307,73.232 h0.76
  text "BOOT2" at 119.333,73.243 h0.76
  text "红" at 10.062,71.559 h2.79
  text "充电指示灯" at 7.733,70.558 h2.03 r270
  text "3.3V" at 115.195,70.304 h1.02
  text "3.3V" at 119.396,70.293 h1.02
  text "GPRS-ADM2483TF-V1.0" at 51.033,68.027 h4.05
  text "绿" at 10.059,67.464 h2.79
  text "VCC" at 9.906,65.14 h1.5
  text "2019年05月14日" at 57.795,64.966 h3
  text "139.83 (mm)" at -8.864,62.29 h1.52 r89.63
  text "红" at 10.062,61.071 h2.79
  text "模拟输入三" at 13.96,59.836 h3 r270
  text "G-I-V" at 10.91,56.407 h2.79 r270
  text "-" at 127.374,56.328 h2.79 r180
  text "+" at 127.374,51.324 h2.79 r180
  text "电池" at 124.511,49.352 h3.05 r90
  text "-" at 127.374,45.33 h2.79 r180
  text "模拟输入二" at 13.96,44.206 h3 r270
  text "G-I-V" at 10.91,40.99 h2.79 r270
  text "+" at 127.374,39.92 h2.79 r180
  text "太阳能" at 124.437,37.516 h3.05 r90
  text "-" at 127.374,34.459 h2.79 r180
  text "+" at 127.374,29.328 h2.79 r180
  text "模拟输入一" at 13.96,28.688 h3 r270
  text "DC座" at 124.46,28.092 h3.05 r90
  text "G-I-V" at 10.91,25.481 h2.79 r270
  text "开关" at 127.025,15.943 h5.08 r90
  text "485总线" at 54.125,13.24 h6
  text "138.303 (mm)" at 60.833,-11.836 h1.52
Mechanical 1:
  lines w0.127: 92.251,127.097 92.262,127.085 97.157,127.085 97.167,127.076 97.167,128.882 97.147,128.901 92.251,128.901 92.251,127.097
  lines w0.254: 0.01,138.347 cw(c1.289,138.475) 1.118,139.749 ; 0.014,138.492 0.014,1.442 ccw(c1.506,1.442) 1.506,-0.051 136.881,-0.051 ccw(c136.779,1.448) 138.278,1.549 ; 1.118,139.751 136.5,139.751 ; 136.373,139.751 cw(c136.398,137.871) 138.278,137.897 ; 138.278,1.346 138.278,137.973

## Text inside footprints (layer, text, board x,y; h text height)
J1: Top Overlay "1" at 79.254,10.186 h1.1
J2: Top Overlay "1" at 95.753,10.186 h1.1
J3: Top Overlay "1" at 112.252,10.186 h1.1
J4: Top Overlay "1" at 128.751,10.186 h1.1
J5: Top Overlay "1" at 13.257,10.186 h1.1
J6: Top Overlay "1" at 29.756,10.186 h1.1
J7: Top Overlay "1" at 46.255,10.186 h1.1
J8: Top Overlay "1" at 62.754,10.186 h1.1
U14: Top Overlay "LOCK" at 99.206,93.956 h1; Top Overlay "OPEN" at 99.51,83.154 h1